# Altium PCB DD2088PoE_Daisy_Chain.PcbDoc (part 1 of 6) (continued)
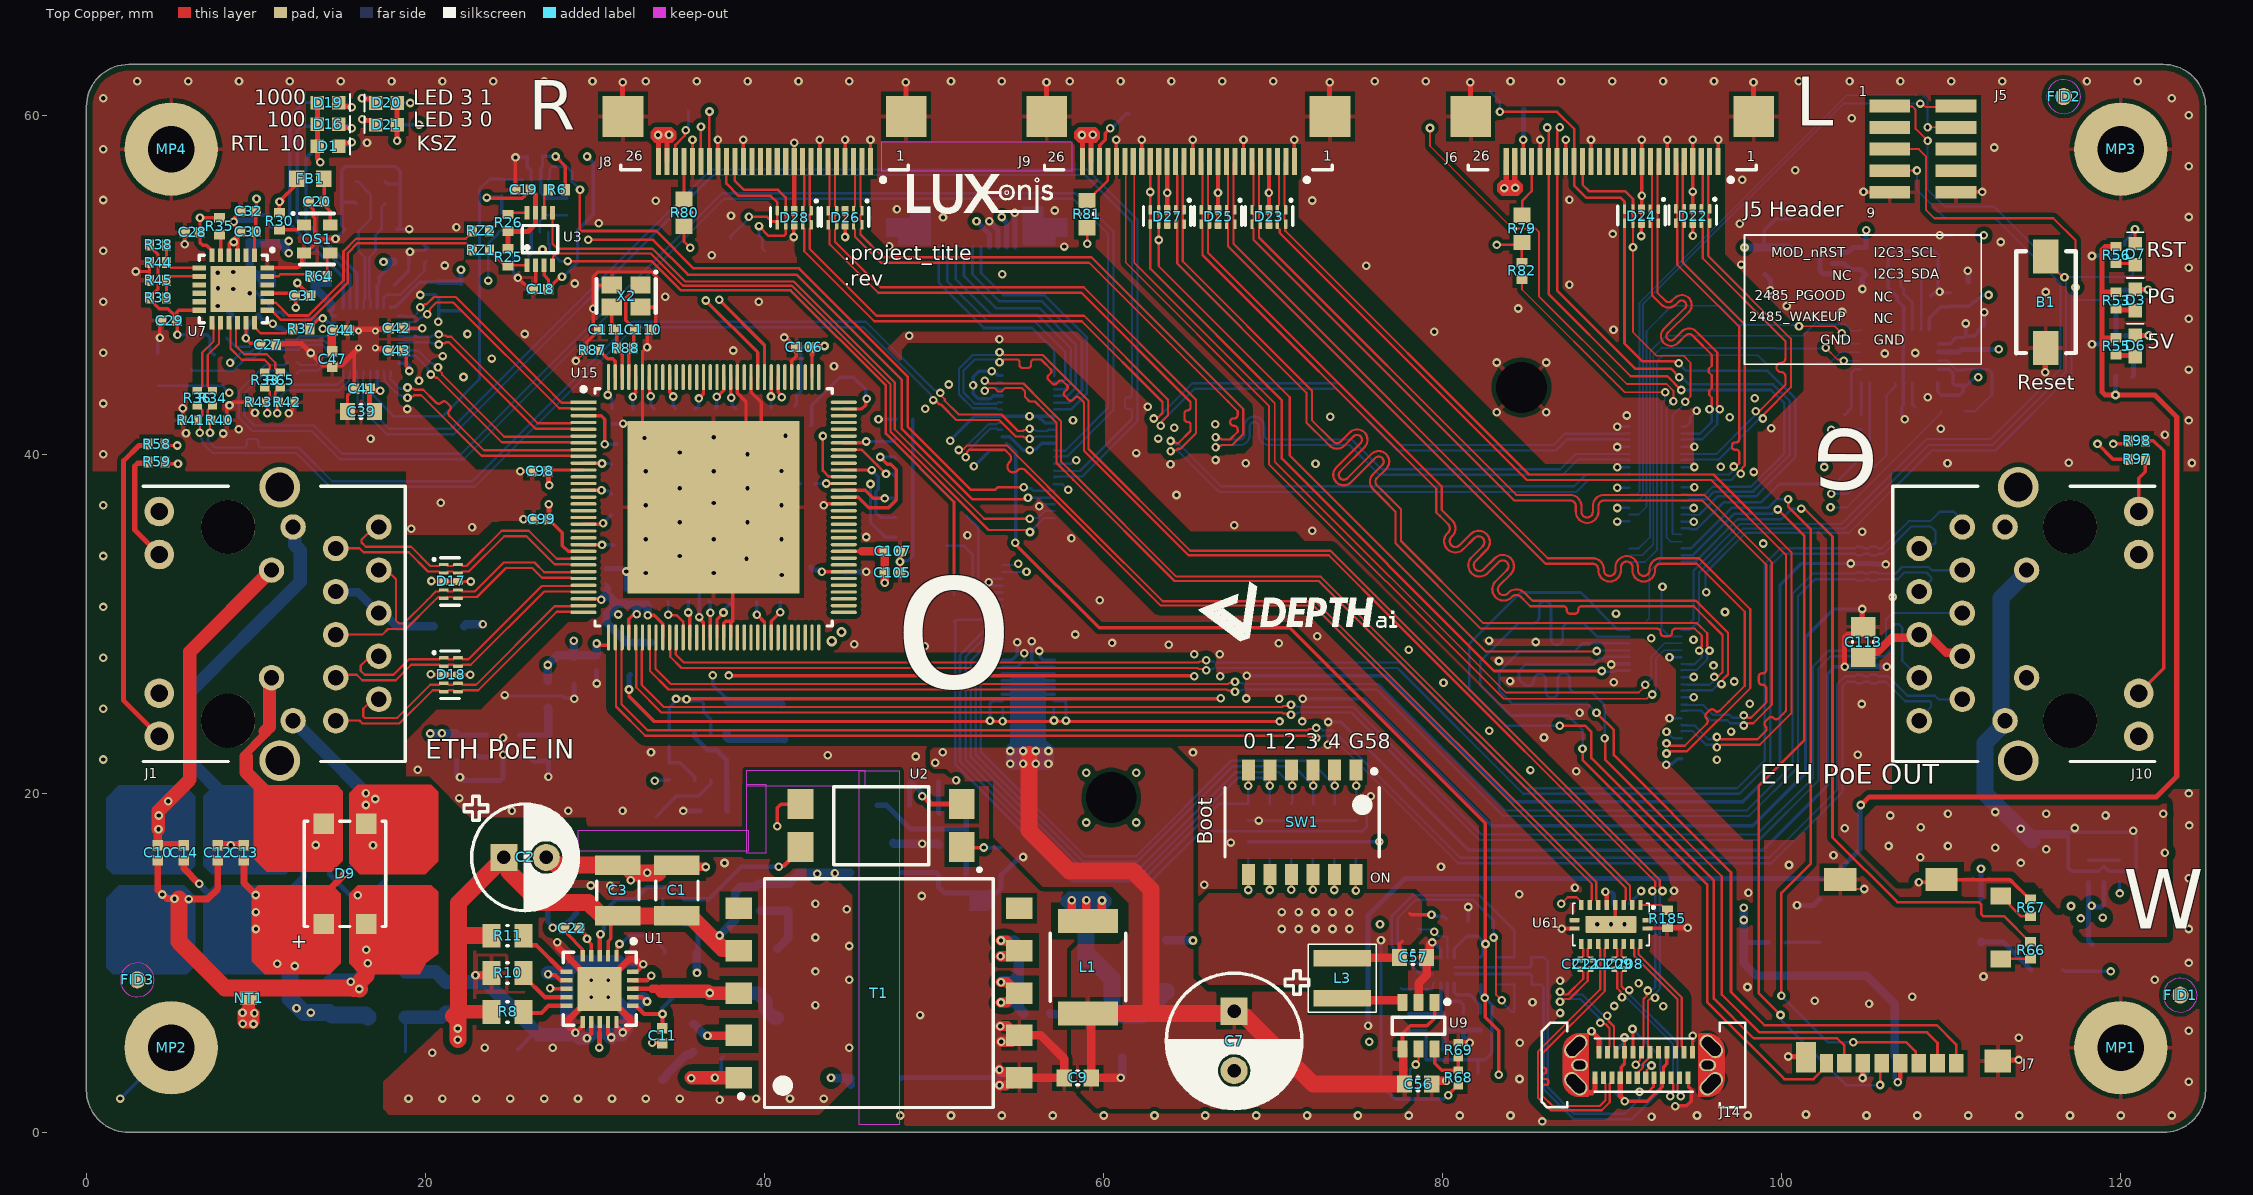
[diagram p0: Top Copper view]
## Components (designator, comment, footprint, x,y, rotation, side; value= is the part's Value field where it differs from the comment) (continued)
D23 "TPD4E02B04DQAR" TPD4E02B04DQAR 69.75,54 r180 top
D24 "TPD4E02B04DQAR" TPD4E02B04DQAR 91.725,54.05 r180 top
D25 "TPD4E02B04DQAR" TPD4E02B04DQAR 66.75,54 r180 top
D26 "TPD4E02B04DQAR" TPD4E02B04DQAR 44.75,53.957 r180 top
D27 "TPD4E02B04DQAR" TPD4E02B04DQAR 63.75,54 r180 top
D28 "TPD4E02B04DQAR" TPD4E02B04DQAR 41.75,53.952 r180 top
D29 "1N4148W" 1N4148W-7-F 43.7,44.55 r0 bottom
D30 "TPD4E02B04DQAR" TPD4E02B04DQAR 105,27.5 r90 bottom
D31 "TPD4E02B04DQAR" TPD4E02B04DQAR 105,33.55 r90 bottom
FB1 "80R/100MHz" BK1608HS800-T_N 13.206,56.248 r180 top
FB2 "700R/150Mhz" 742792040 17.7,6.8 r0 bottom
FB3 "700R/150Mhz" 742792040 17.696,9.475 r0 bottom
FB4 "80R/100MHz" BK1608HS800-T_N 27.211,25.75 r90 bottom
FB5 "80R/100MHz" BK1608HS800-T_N 34.367,28.861 r180 bottom
FID1 "FIDUCIAL_ROUND_1MM" FIDUCIAL_ROUND_1MM 123.5,8.1 r180 top
FID2 "FIDUCIAL_ROUND_1MM" FIDUCIAL_ROUND_1MM 116.625,61.1 r180 top
FID3 "FIDUCIAL_ROUND_1MM" FIDUCIAL_ROUND_1MM 3,9 r0 top
FID4 "FIDUCIAL_ROUND_1MM" FIDUCIAL_ROUND_1MM 116.625,61.1 r90 bottom
FID5 "FIDUCIAL_ROUND_1MM" FIDUCIAL_ROUND_1MM 123.5,8.1 r90 bottom
FID6 "FIDUCIAL_ROUND_1MM" FIDUCIAL_ROUND_1MM 1.825,7.925 r90 bottom
J1 "802.3af PoE" TRJG0926HENL 8.359,30 r270 top locked
J2 "BW2098_A Receptacle" DF40HC-3.0-100DS-0.4V_minpad 92.55,31.85 r0 bottom locked
J3 "BW2098_B Receptacle" DF40HC-3.0-100DS-0.4V_minpad 55.55,34.85 r0 bottom locked
J4 "SFV10R-2STE1HLF Top Contact" SFV10R-2STE1HLF 52.525,52.725 r0 bottom
J5 "20021121-00010T1LF" 20021121-00010T1LF 108.325,58 r270 top
J6 "FLEX CONNECTOR, 0.50MM PITCH, HE" F32R-1A7H1-11026 90,58.5 r180 top locked
J7 "uSD push/pull" 104031-0811 107.175,9.5 r0 top locked
J8 "FLEX CONNECTOR, 0.50MM PITCH, HE" F32R-1A7H1-11026 40,58.5 r180 top locked
J9 "FLEX CONNECTOR, 0.50MM PITCH, HE" F32R-1A7H1-11026 65,58.5 r180 top locked
J10 "802.3af PoE" TRJG0926HENL 117,30 r90 top locked
J14 "USB3.1 TYPEC 24P SMD Vertical" CX80B1-24P 91.85,3.975 r180 top locked
L1 "1uH 2.9A" DO1608C-102MLX 59.075,9.75 r270 top
L2 "2.2uH 0.61A 97mR" LQH32NH2R2J23L 12.312,50.341 r180 bottom
L3 "XAL4020-222MEC" XAL4020 74.075,9.1 r90 top
L4 "XAL4020-222MEC" XAL4020 41.17,24.372 r90 bottom
MH1 "M2, 3MM steel spacer on M2.5 mounting pad" 9774030243R 84.65,43.95 r45 bottom locked
MH2 "M2, 3MM steel spacer on M2.5 mounting pad" 9774030243R 60.45,19.75 r45 bottom
MP1 "MOUNTING_HOLE_M2.5" MOUNTING_HOLE_M2.5#1 120,5 r180 top
MP2 "MOUNTING_HOLE_M2.5" MOUNTING_HOLE_M2.5#1 5,5 r180 top
MP3 "MOUNTING_HOLE_M2.5" MOUNTING_HOLE_M2.5#2 120,57.9 r180 top
MP4 "MOUNTING_HOLE_M2.5" MOUNTING_HOLE_M2.5#2 5,57.9 r180 top
NT1 "NetTie" NET_TIE_TOP_1MM 9.566,7.925 r270 top net-tie
OS1 "25MHz OSC" ASDMB-25.000MHZ-LC-T 13.608,52.7 r270 top
Q1 "PREBIAS'd DDTC114YCA-7-F" DDTC114YCA-7-F 5.2,45 r90 bottom
Q2 "RE1C002UNTCL" RE1C002UNTCL 120.225,49.069 r180 bottom
Q3 "RE1C002UNTCL" RE1C002UNTCL 120.245,46.381 r180 bottom
Q4 "RE1C002UNTCL" RE1C002UNTCL 120.225,51.756 r180 bottom
Q5 "FDMA86265P" MICROFET-6 119,15.4 r270 bottom
R1 "10K 0402" RESC0402(1005)_N 111.2,53.425 r90 bottom
R2 "1K 0402" RESC0402(1005)_N 74.885,16.65 r90 bottom
R3 "10R 0603" RESC0603(1608)_N 35.8,5.575 r90 bottom
R4 "18K 0603" RESC0603(1608)_N 41.4,13.875 r90 bottom
R5 "6.8R 0805" RESC0805(2012)_N 59.55,6.925 r0 bottom
R6 "10K 0402" RESC0402(1005)_N 27.744,55.606 r0 top
R7 "1K 0402" RESC0402(1005)_N 72.345,16.65 r90 bottom
R8 "88.7K 0805" RESC0805(2012)_N 24.839,7.109 r0 top
R9 "1K 0402" RESC0402(1005)_N 73.615,16.65 r90 bottom
R10 "48.7R 0805" RESC0805(2012)_N 24.839,9.409 r0 top
R11 "24.3k 0805" RESC0805(2012)_N 24.839,11.609 r0 top
R12 "4.99k 0603" RESC0603(1608)_N 29.723,12.975 r180 bottom
R13 "0.62R 0805" RESC0805(2012)_N 35.063,10.59 r0 bottom
R14 "36.5k 0603" RESC0603(1608)_N 51.048,15.225 r180 bottom
R15 "12.1k 0603" RESC0603(1608)_N 51.073,16.975 r0 bottom
R16 "1K 0402" RESC0402(1005)_N 68.535,16.65 r90 bottom
R17 "0R 0603" RESC0603(1608)_N 51.098,18.825 r180 bottom
R18 "0R 0603" RESC0603(1608)_N 33.198,13.75 r180 bottom
R19 "10K 0402" RESC0402(1005)_N 73.625,18.9 r270 bottom
R20 "10K 0402" RESC0402(1005)_N 72.35,18.9 r270 bottom
R21 "10K 0402" RESC0402(1005)_N 71.075,18.9 r270 bottom
R22 "10K 0402" RESC0402(1005)_N 69.8,18.9 r270 bottom
R23 "10K 0402" RESC0402(1005)_N 68.525,18.9 r270 bottom
R24 "2.05k 0603" RESC0603(1608)_N 53.948,16 r270 bottom
R25 "10K 0402" RESC0402(1005)_N 24.875,51.633 r270 top
R26 "10K 0402" RESC0402(1005)_N 24.872,53.65 r90 top
R27 "0R 0603" RESC0603(1608)_N 51.175,30.95 r90 bottom
R28 "10K 0402" RESC0402(1005)_N 7.55,45.375 r270 bottom
R29 "10K 0402" RESC0402(1005)_N 7.788,46.871 r0 bottom
R30 "10K 0402" RESC0402(1005)_N 11.379,53.75 r90 top
R31 "10K 0402" RESC0402(1005)_N 82.225,6.525 r270 bottom
R32 "10K 0402" RESC0402(1005)_N 81.225,6.525 r270 bottom
R33 "22R 0402" RESC0402(1005)_L 10.525,44.375 r90 top
R34 "22R 0402" RESC0402(1005)_L 7.441,43.308 r90 top
R35 "10K 0402" RESC0402(1005)_N 7.85,53.45 r270 top
R36 "22R 0402" RESC0402(1005)_L 6.541,43.308 r90 top
R37 "10K 0402" RESC0402(1005)_N 12.674,47.406 r180 top
R38 "10K 0402" RESC0402(1005)_N 4.225,52.35 r0 top
R39 "10K 0402" RESC0402(1005)_N 4.225,49.225 r0 top
R40 "49.9R 0402" RESC0402(1005)_L 7.841,42.008 r0 top
R41 "49.9R 0402" RESC0402(1005)_L 6.141,42.008 r0 top
R42 "49.9R 0402" RESC0402(1005)_L 11.825,43.075 r180 top
R43 "49.9R 0402" RESC0402(1005)_L 10.125,43.075 r0 top
R44 "10K 0402" RESC0402(1005)_N 4.225,51.308 r180 top
R45 "10K 0402" RESC0402(1005)_N 4.225,50.267 r180 top
R46 "10K 0402" RESC0402(1005)_N 24.51,55.742 r90 bottom
R47 "1M 0402" RESC0402(1005)_N 16.55,52.05 r0 bottom
R48 "2.49K 0402" RESC0402(1005)_N 20.125,51.7 r270 bottom
R49 "10K 0402" RESC0402(1005)_N 24.5,53.725 r270 bottom
R50 "10K 0402" RESC0402(1005)_N 28.325,54.6 r90 bottom
R51 "18K 0603" RESC0603(1608)_N 118.3,10.3 r270 bottom
R52 "88.7K 0805" RESC0805(2012)_N 115.6,9.6 r0 bottom
R53 "1K 0402" RESC0402(1005)_N 119.725,49.069 r90 top
R54 "1K 0402" RESC0402(1005)_N 120.2,44.6 r180 bottom
R55 "1K 0402" RESC0402(1005)_N 119.725,46.381 r90 top
R56 "1K 0402" RESC0402(1005)_N 119.725,51.756 r90 top
R57 "470R 0402" RESC0402(1005)_N 99.7,11.2 r180 bottom
R58 "470R 0402" RESC0402(1005)_N 4.136,40.604 r180 top
R59 "470R 0402" RESC0402(1005)_N 4.136,39.554 r180 top
R60 "1K 0402" RESC0402(1005)_N 71.075,16.65 r90 bottom
R61 "1K 0402" RESC0402(1005)_N 69.805,16.65 r90 bottom
R62 "10K 0402" RESC0402(1005)_N 110.075,53.425 r270 bottom
R63 "10K 0402" RESC0402(1005)_N 74.9,18.9 r270 bottom
R64 "22R 0402" RESC0402(1005)_N 13.695,50.501 r0 top
R65 "22R 0402" RESC0402(1005)_L 11.425,44.375 r90 top
R66 "0R 0402" RESC0402(1005)_N 114.676,10.75 r90 top
R67 "0R 0402" RESC0402(1005)_N 114.676,13.25 r270 top
R68 "249k 0402" RESC0402(1005)_L 80.914,3.213 r270 top
R69 "56k 0402" RESC0402(1005)_L 80.914,4.851 r270 top
R70 "470R 0402" RESC0402(1005)_N 14.25,58.175 r0 bottom
R71 "470R 0402" RESC0402(1005)_N 14.25,59.463 r0 bottom
R72 "470R 0402" RESC0402(1005)_N 14.25,60.75 r0 bottom
R73 "470R 0402" RESC0402(1005)_N 17.7,60.725 r180 bottom
R74 "470R 0402" RESC0402(1005)_N 17.7,59.438 r180 bottom
R75 "121K 0402" RESC0402(1005)_N 34.375,21.3 r90 bottom
R76 "121K 0402" RESC0402(1005)_N 34.375,23.291 r90 bottom
R79 "0R 0603" RESC0603(1608)_N 84.675,53.3 r90 top
R80 "0R 0603" RESC0603(1608)_N 35.25,54.25 r90 top
R81 "0R 0603" RESC0603(1608)_N 59.007,54.169 r90 top
R82 "10K 0402" RESC0402(1005)_N 84.675,50.82 r90 top
R83 "10K 0402" RESC0402(1005)_L 110.85,44.525 r270 bottom
R84 "0R 0603" RESC0603(1608)_L 110.103,42.545 r180 bottom
R85 "2.2K 0402" RESC0402(1005)_L 104.675,41.9 r90 bottom
R86 "2.2K 0402" RESC0402(1005)_L 103.7,41.9 r90 bottom
R87 "6.04k 0402" RESC0402(1005)_L 29.84,46.127 r180 top
R88 "1M 0402" RESC0402(1005)_N 31.775,46.26 r180 top
R89 "10K 0402" RESC0402(1005)_N 42.275,42.85 r0 bottom
R90 "1K 0402" RESC0402(1005)_N 48.25,42.067 r180 bottom
R91 "1K 0402" RESC0402(1005)_N 48.25,40.908 r180 bottom
R92 "1K 0402" RESC0402(1005)_N 48.25,39.75 r180 bottom
R93 "1K 0402" RESC0402(1005)_N 48.25,38.592 r180 bottom
R94 "1K 0402" RESC0402(1005)_N 48.25,37.433 r180 bottom
R95 "1K 0402" RESC0402(1005)_N 48.25,36.275 r180 bottom
R96 "1K 0402" RESC0402(1005)_N 48.25,35.117 r180 bottom
R97 "470R 0402" RESC0402(1005)_N 120.95,39.7 r0 top
R98 "470R 0402" RESC0402(1005)_N 120.95,40.8 r0 top
R183 "10K 0402" RESC0402(1005)_N 79.525,4.925 r180 bottom
R185 "10K 0402" RESC0402(1005)_N 93.25,12.6 r270 top
R186 "10K 0402" RESC0402(1005)_N 80.2,12.1 r90 bottom
R187 "1.8MR 0402" RESC0402(1005)_N 79,6.5 r90 bottom
R190 "1.8MR 0402" RESC0402(1005)_N 78,6.5 r90 bottom
R213 "10K 0402" RESC0402(1005)_N 82.725,10.325 r180 bottom
R214 "10K 0402" RESC0402(1005)_N 82.75,8.725 r180 bottom
RZ1 "0R 0402" RESC0402(1005)_N 23.275,52.05 r180 top
RZ2 "0R 0402" RESC0402(1005)_N 23.275,53.175 r180 top
RZ28 "10K 0402" RESC0402(1005)_N 84.725,10.325 r0 bottom
RZ29 "10K 0402" RESC0402(1005)_N 84.75,8.725 r0 bottom
SW1 "A6H-6102 DIP SW" A6H-610x 71.71,18.3 r270 top
T1 "749119950" 749119950 46.748,8.225 r90 top locked
TP1 "TP100_200_NS" TP100_200_NS 50.75,34.6 r270 bottom
TP2 "TP100_200_NS" TP100_200_NS 51.925,36.375 r270 bottom
TP3 "TP100_200_NS" TP100_200_NS 100.475,53.9 r180 bottom
TP5 "TP100_200_NS" TP100_200_NS 18.825,4.75 r0 bottom
TP6 "TP100_200_NS" TP100_200_NS 61.1,4.4 r270 bottom
TP7 "TP100_200_NS" TP100_200_NS 78.075,2.85 r270 bottom
TP8 "TP100_200_NS" TP100_200_NS 34.725,8.092 r270 bottom
TP9 "TP100_200_NS" TP100_200_NS 51.174,3.25 r270 bottom
TP10 "TP100_200_NS" TP100_200_NS 32.221,11.598 r0 bottom
TP11 "TP100_200_NS" TP100_200_NS 27.078,13.315 r180 bottom
TP12 "TP100_200_NS" TP100_200_NS 37.562,4.478 r270 bottom
TP13 "TP100_200_NS" TP100_200_NS 25.45,4.9 r0 bottom
TP14 "TP100_200_NS" TP100_200_NS 33.6,18.625 r180 bottom
TP19 "TP100_200_NS" TP100_200_NS 106.175,41.45 r180 bottom
TP23 "TP100_200_NS" TP100_200_NS 84.782,60.35 r90 bottom
TP24 "TP100_200_NS" TP100_200_NS 35.5,60.25 r270 bottom
TP25 "TP100_200_NS" TP100_200_NS 104.715,39.84 r180 bottom
TP26 "TP100_200_NS" TP100_200_NS 112.4,43.525 r270 bottom
TP27 "TP100_200_NS" TP100_200_NS 97.328,47.738 r90 bottom
TP28 "TP100_200_NS" TP100_200_NS 102.201,47.807 r180 bottom
TP29 "TP100_200_NS" TP100_200_NS 99.6,46.214 r90 bottom
TP30 "TP100_200_NS" TP100_200_NS 102.085,45.32 r90 bottom
TP31 "TP100_200_NS" TP100_200_NS 61.473,60.078 r0 bottom
TP32 "TP100_200_NS" TP100_200_NS 62.75,56.475 r0 bottom
TP33 "TP100_200_NS" TP100_200_NS 38,52.75 r270 bottom
TP34 "TP100_200_NS" TP100_200_NS 82.821,61.419 r270 bottom
TP35 "TP100_200_NS" TP100_200_NS 91.225,51.213 r270 bottom
TP36 "TP100_200_NS" TP100_200_NS 40,52 r270 bottom
TP37 "TP100_200_NS" TP100_200_NS 63.25,51.643 r0 bottom
TP40 "TP100_200_NS" TP100_200_NS 82.085,3.5 r180 bottom
TP41 "TP100_200_NS" TP100_200_NS 78.525,12.025 r0 bottom
TP42 "TP100_200_NS" TP100_200_NS 77.525,8.525 r0 bottom
TP43 "TP100_200_NS" TP100_200_NS 84.225,7.125 r0 bottom
TP44 "TP100_200_NS" TP100_200_NS 84.225,11.925 r0 bottom
U1 "SI3404-A-GM" SI3404-A-GM 30.273,8.475 r270 top
U2 "VO618A-3X017T" VO618A-3X017T 46.875,18.1 r180 top
U3 "TXS0102DCU" TXS0102DCUR 26.75,52.7 r90 top
U4 "RTL8111HS-CG" RTL8111HX-CG 16.55,46.775 r180 bottom
U5 "TLV431" TLV431BCDBZR 47.598,18.2 r270 bottom
U6 "TXS0102DCU" TXS0102DCUR 26.5,54.65 r270 bottom
U7 "SI52142-A01AGM" SI52142-A01AGM 8.667,49.75 r270 top
U8 "TLV70018DCK" TLV70018DCK 101.875,51.25 r270 bottom
U9 "TLV62569" SOT236 78.575,6.3 r270 top
U10 "VO618A-3X017T" VO618A-3X017T 107,12.5 r0 bottom
U12 "BNO085" BNO085 106.95,45.775 r90 bottom
U13 "TLV75525PDRVR" WSON-6 24.578,22.787 r180 bottom
U14 "TLV62569" SOT236 36.828,22.143 r270 bottom
U15 "KSZ9896CTXI" FP-C04-418-IPC_A 36.998,36.877 r0 top locked
U61 "USB Type-C Switch" HD3SS3212RKSR 89.925,12.275 r270 top
U62 "USB Type-C Port Control" TUSB321RWBR 80.075,9.55 r90 bottom
X1 "25MHz 18pF 2.50x2.00mm" ECS-250-18-36B-CKY-TR 16.767,55.435 r0 bottom
X2 "25MHz 18pF 2.50x2.00mm" ECS-250-18-36B-CKY-TR 31.837,49.33 r180 top
Y1 "ABS06-127-32.768KHZ-T" ABS06-127-32.768KHZ-T 107.761,50.857 r180 bottom

## Footprints (in the part's own frame and the unit in brackets; to place one, negate y for a bottom-side part, rotate by r counter-clockwise, add the part's x,y. Pads: shape width x height; smd on the part's side, far side on the other; paste and mask are expansions set on the pad)
1N4148W-7-F [mm] "SOD123, 2-Leads, Body 2.7x1.55mm, Height 1.45mm"
  rect 0.9x0.95 smd: 1(-1.575,0) 2(1.575,0)
  silkscreen extent -2.4,-0.87 0,0.87, body extent -1.35,-0.77 1.35,0.77, height 1.45
104031-0811 [mm] "10 (8 + 2) Position Card Connector Secure Digital - microSD™ Surface Mount, Right Angle Gold"
  rect 0.85x1.1 smd: 1(3.113,-5.412) 3(0.913,-5.412) 4(-0.188,-5.412) 5(-1.288,-5.412) 6(-2.387,-5.412) 7(-3.487,-5.412)
  rect 0.875x1.1 smd: 2(2.013,-5.412)
  rect 0.75x1.1 smd: 8(-4.537,-5.412)
  rect 1.2x1 smd: 9(5.748,0.738) 10(5.748,4.438)
  rect 1.9x1.35 smd: 11(2.248,5.413) 12(-3.722,5.413)
  rect 1.17x1.8 smd: 13(-5.747,-5.062)
  rect 1.55x1.35 smd: 14(5.573,-5.287)
  body extent -5.95,-5.65 6,5.75, height 1.44
20021121-00010T1LF [mm] "Connector Header Surface Mount 10 position 0.050\" (1.27mm)   Contact length: 0.120\" (3.05mm)"
  rect 0.76x2.4 smd: 1(-2.54,-1.95) 2(-2.54,1.95) 3(-1.27,-1.95) 4(-1.27,1.95) 5(0,-1.95) 6(0,1.95) 7(1.27,-1.95) 8(1.27,1.95) 9(2.54,-1.95) 10(2.54,1.95)
  body extent -3.18,-2.75 3.17,2.75, height 4.55
742792040 [mm] "Chip Inductor, 2-Leads, Body 2.0x1.2mm"
  rect 1x1 smd: 1(-1.1,0) 2(1.1,0)
  silkscreen extent -0.2,-0.6 0.2,0.6, body extent -1,-0.6 1,0.6, height 0.89
749119950 [mm] "SMD, 10-Leads, Body 13.5x14.0mm (max), Pitch 2.48mm, IPC Medium Density"
  rect 1.27x1.55 smd: 1(-5,8.275) 2(-2.5,8.275) 3(0,8.275) 4(2.5,8.275) 5(5,8.275) 6(5,-8.275) 7(2.5,-8.275) 8(0,-8.275) 9(-2.5,-8.275) 10(-5,-8.275)
  silkscreen extent -6.75,-6.75 6.75,8.25, body extent -6.75,-8.88 6.75,8.87, height 12.6
9774030243R [mm] "STANDOFF_M2X0.4_3MM with no pad on bottom of PCB"
  round 5.3 / inner round 2.7 / far side round 2.7 hole 3 mask+0.05: 1(0,0)
  body extent -2.17,-2.17 2.18,2.17, height 3.05
A6H-610x [mm] "DIP Sw, Std/SealTape Body 8.85x4.50mm, Pitch 1.27mm, IPC High Density"
  rect 1.25x0.76 smd: 1(-3.075,3.175) 2(-3.075,1.905) 3(-3.075,0.635) 4(-3.075,-0.635) 5(-3.075,-1.905) 6(-3.075,-3.175) 7(3.075,-3.175) 8(3.075,-1.905) 9(3.075,-0.635) 10(3.075,0.635) 11(3.075,1.905) 12(3.075,3.175)
  silkscreen extent -3.12,-4.55 2.02,4.55, body extent -3.35,-4.43 3.35,4.42, height 1.57
ABS06-127-32.768KHZ-T [mm] "2-SMD 0.079\" L x 0.047\" W (2.00mm x 1.20mm)"
  rect 0.75x1.4 smd: 1(-0.73,0) 2(0.73,0)
  body extent -1,-0.6 1,0.6, height 0.65
ASDMB-25.000MHZ-LC-T [mm] "0.098\" L x 0.079\" W (2.50mm x 2.00mm)"
  rect 0.65x0.85 smd: 1(-0.825,-0.775) 2(0.825,-0.775) 3(0.825,0.775) 4(-0.825,0.775)
  silkscreen extent -1.53,-1.44 1.5,1, body extent -1.25,-1 1.25,1, height 0.86
BK1608HS800-T_N [mm] "Chip Inductor, 2-Leads, Body 1.60x0.80mm, IPC Medium Density"
  rect 0.92x0.98 smd: 1(-0.79,0) 2(0.79,0)
  body extent -0.88,-0.48 0.87,0.47, height 0.95
BNO085 [mm] "28-TFLGA Module (5.2x3.8)"
  rect 0.675x0.25 smd paste+0 mask+0: 1(1.562,2.25) 6(-1.562,2.25) 7(-1.562,1.75) 8(-1.562,1.25) 9(-1.562,0.75) 10(-1.562,0.25) 11(-1.562,-0.25) 12(-1.562,-0.75) 13(-1.562,-1.25) 14(-1.562,-1.75) 15(-1.562,-2.25) 20(1.562,-2.25) 21(1.562,-1.75) 22(1.562,-1.25) 23(1.562,-0.75) 24(1.562,-0.25) 25(1.562,0.25) 26(1.562,0.75) 27(1.562,1.25) 28(1.562,1.75)
  rect 0.25x0.575 smd paste+0 mask+0: 2(0.75,2.312) 3(0.25,2.312) 4(-0.25,2.312) 5(-0.75,2.312) 16(-0.75,-2.312) 17(-0.25,-2.312) 18(0.25,-2.312) 19(0.75,-2.312)
  silkscreen extent -2.3,-3.08 3.05,3.08, body extent -1.9,-2.6 1.9,2.6, height 1.18
CAPC0201(0603)33_L [mm] "Chip Capacitor, Body 0.6x0.3mm, Height 0.33mm, IPC High Density"
  rect 0.36x0.32 smd: 1(-0.28,0) 2(0.28,0)
  body extent -0.32,-0.17 0.32,0.17, height 0.33
CAPC0402(1005)60_N [mm] "Chip Capacitor, Body 1.0x0.5mm, Height 0.6mm, IPC Medium Density"
  rect 0.62x0.62 smd: 1(-0.45,0) 2(0.45,0)
  body extent -0.55,-0.3 0.55,0.3, height 0.6
CAPC0402(1005)70_L [mm] "Chip Capacitor, Body 1.0x0.5mm, Height 0.7mm, IPC High Density"
  rect 0.52x0.52 smd: 1(-0.4,0) 2(0.4,0)
  body extent -0.55,-0.3 0.55,0.3, height 0.7
CAPC0402(1005)70_N [mm] "Chip Capacitor, Body 1.0x0.5mm, Height 0.7mm, IPC Medium Density"
  rect 0.62x0.62 smd: 1(-0.45,0) 2(0.45,0)
  body extent -0.55,-0.3 0.55,0.3, height 0.7
CAPC0603(1608)100_L [mm] "Chip Capacitor, Body 1.6x0.8mm, Height 1.0mm, IPC High Density"
  rect 0.7x0.9 smd: 1(-0.7,0) 2(0.7,0)
  silkscreen extent -0.05,-0.35 0.05,0.35, body extent -0.87,-0.47 0.88,0.48, height 1
CAPC0603(1608)100_N [mm] "Chip Capacitor, Body 1.6x0.8mm, Height 1.0mm, IPC Medium Density"
  rect 0.9x1 smd: 1(-0.8,0) 2(0.8,0)
  silkscreen extent -0.05,-0.4 0.05,0.4, body extent -0.87,-0.48 0.88,0.47, height 1
CAPC0805(2012)145_N [mm] "Chip Capacitor, Body 2.0x1.2mm, Height 1.45mm, IPC Medium Density"
  rect 1.15x1.45 smd: 1(-0.9,0) 2(0.9,0)
  silkscreen extent -0.05,-0.62 0.05,0.63, body extent -1.1,-0.72 1.1,0.73, height 1.45
CAPC1206(3216)190_N [mm] "Chip Capacitor, Body 3.2x1.6mm, Height 1.9mm, IPC Medium Density"
  rect 1.15x1.8 smd: 1(-1.5,0) 2(1.5,0)
  silkscreen extent -0.55,-0.8 0.55,0.8, body extent -1.7,-0.9 1.7,0.9, height 1.9
CAPC1210(3225)280_N [mm] "Chip Capacitor, Body 3.2x2.5mm, Height 2.8mm, IPC Medium Density"
  rect 1.15x2.7 smd: 1(-1.5,0) 2(1.5,0)
  silkscreen extent -0.55,-1.25 0.55,1.25, body extent -1.7,-1.4 1.7,1.4, height 2.8
CX80B1-24P [mm] "USB3.1 Type-C Molex SMT, Through Hole, Vertical"
  rect 0.3x0.75 smd: A1(-2.625,0.755) A2(-2.125,0.755) A3(-1.625,0.755) A4(-1.125,0.755) A5(-0.625,0.755) A6(-0.125,0.755) A7(0.375,0.755) A8(0.875,0.755) A9(1.375,0.755) A10(1.875,0.755) A11(2.375,0.755) A12(2.875,0.755) B1(2.625,-0.755) B2(2.125,-0.755) B3(1.625,-0.755) B4(1.125,-0.755) B5(0.625,-0.755) B6(0.125,-0.755) B7(-0.375,-0.755) B8(-0.875,-0.755) B9(-1.375,-0.755) B10(-1.875,-0.755) B11(-2.375,-0.755) B12(-2.875,-0.755)
  oval 1.6x0.9 hole 0.7 slot 1.3 at 45 deg rot 45: SH1(-3.995,1.1) SH4(3.995,-1.1)
  oval 1.6x0.9 hole 0.7 slot 1.3 at 135 deg rot 135: SH2(3.995,1.1) SH3(-3.995,-1.1)
  oval 1x0.7 hole 0.5 slot 0.7 at 0 deg: SH5(-3.775,0) SH6(3.775,0)
  Top Copper region: 3.827,1.873 3.88,1.869 3.931,1.862 3.983,1.853 4.034,1.84 4.084,1.826 4.133,1.808 4.182,1.788 4.229,1.766 4.275,1.741 4.32,1.713 4.363,1.684 4.404,1.652 4.444,1.618 4.482,1.582 4.518,1.544 4.552,1.504 4.584,1.462 4.614,1.419 4.641,1.375 4.666,1.329 4.689,1.281 4.709,1.233 4.726,1.184 4.741,1.133 4.753,1.082 4.763,1.031 4.77,0.979 4.774,0.927 4.775,0.875 4.775,-0.875 4.774,-0.928 4.77,-0.98 4.763,-1.032 4.753,-1.083 4.741,-1.134 4.726,-1.185 4.709,-1.234 4.689,-1.282 4.666,-1.329 4.641,-1.375 4.614,-1.42 4.584,-1.463 4.552,-1.505 4.518,-1.545 4.482,-1.583 4.444,-1.619 4.404,-1.653 4.363,-1.685 4.32,-1.714 4.275,-1.742 4.229,-1.766 4.182,-1.789 4.133,-1.809 4.084,-1.827 4.034,-1.841 3.983,-1.854 3.931,-1.863 3.88,-1.87 3.827,-1.874 3.775,-1.875 3.325,-1.875 3.32,-1.875 3.315,-1.875 3.309,-1.874 3.304,-1.873 3.299,-1.872 3.294,-1.871 3.289,-1.869 3.284,-1.867 3.28,-1.865 3.275,-1.862 3.271,-1.859 3.266,-1.856 3.262,-1.853 3.258,-1.85 3.254,-1.846 3.251,-1.842 3.247,-1.838 3.244,-1.834 3.241,-1.83 3.238,-1.825 3.236,-1.821 3.234,-1.816 3.232,-1.811 3.23,-1.806 3.228,-1.801 3.227,-1.796 3.226,-1.791 3.226,-1.786 3.225,-1.781 3.225,-1.775 3.225,1.775 3.225,1.78 3.226,1.785 3.226,1.79 3.227,1.795 3.228,1.8 3.23,1.805 3.232,1.81 3.234,1.815 3.236,1.82 3.238,1.825 3.241,1.829 3.244,1.833 3.247,1.837 3.251,1.841 3.254,1.845 3.258,1.849 3.262,1.852 3.266,1.855 3.271,1.858 3.275,1.861 3.28,1.864 3.284,1.866 3.289,1.868 3.294,1.87 3.299,1.871 3.304,1.872 3.309,1.873 3.315,1.874 3.32,1.874 3.325,1.875 3.775,1.875
  Top Copper region: -3.32,1.874 -3.315,1.874 -3.309,1.873 -3.304,1.872 -3.299,1.871 -3.294,1.87 -3.289,1.868 -3.284,1.866 -3.28,1.864 -3.275,1.861 -3.271,1.858 -3.266,1.855 -3.262,1.852 -3.258,1.849 -3.254,1.845 -3.251,1.841 -3.247,1.837 -3.244,1.833 -3.241,1.829 -3.238,1.825 -3.236,1.82 -3.234,1.815 -3.232,1.81 -3.23,1.805 -3.228,1.8 -3.227,1.795 -3.226,1.79 -3.226,1.785 -3.225,1.78 -3.225,1.775 -3.225,-1.775 -3.225,-1.781 -3.226,-1.786 -3.226,-1.791 -3.227,-1.796 -3.228,-1.801 -3.23,-1.806 -3.232,-1.811 -3.234,-1.816 -3.236,-1.821 -3.238,-1.825 -3.241,-1.83 -3.244,-1.834 -3.247,-1.838 -3.251,-1.842 -3.254,-1.846 -3.258,-1.85 -3.262,-1.853 -3.266,-1.856 -3.271,-1.859 -3.275,-1.862 -3.28,-1.865 -3.284,-1.867 -3.289,-1.869 -3.294,-1.871 -3.299,-1.872 -3.304,-1.873 -3.309,-1.874 -3.315,-1.875 -3.32,-1.875 -3.325,-1.875 -3.775,-1.875 -3.827,-1.874 -3.88,-1.87 -3.931,-1.863 -3.983,-1.854 -4.034,-1.841 -4.084,-1.827 -4.133,-1.809 -4.182,-1.789 -4.229,-1.766 -4.275,-1.742 -4.32,-1.714 -4.363,-1.685 -4.404,-1.653 -4.444,-1.619 -4.482,-1.583 -4.518,-1.545 -4.552,-1.505 -4.584,-1.463 -4.614,-1.42 -4.641,-1.375 -4.666,-1.329 -4.689,-1.282 -4.709,-1.234 -4.726,-1.185 -4.741,-1.134 -4.753,-1.083 -4.763,-1.032 -4.77,-0.98 -4.774,-0.928 -4.775,-0.875 -4.775,0.875 -4.774,0.927 -4.77,0.979 -4.763,1.031 -4.753,1.082 -4.741,1.133 -4.726,1.184 -4.709,1.233 -4.689,1.281 -4.666,1.329 -4.641,1.375 -4.614,1.419 -4.584,1.462 -4.552,1.504 -4.518,1.544 -4.482,1.582 -4.444,1.618 -4.404,1.652 -4.363,1.684 -4.32,1.713 -4.275,1.741 -4.229,1.766 -4.182,1.788 -4.133,1.808 -4.084,1.826 -4.034,1.84 -3.983,1.853 -3.931,1.862 -3.88,1.869 -3.827,1.873 -3.775,1.875 -3.325,1.875
  Bottom Copper region: 3.827,1.873 3.88,1.869 3.931,1.862 3.983,1.853 4.034,1.84 4.084,1.826 4.133,1.808 4.182,1.788 4.229,1.766 4.275,1.741 4.32,1.713 4.363,1.684 4.404,1.652 4.444,1.618 4.482,1.582 4.518,1.544 4.552,1.504 4.584,1.462 4.614,1.419 4.641,1.375 4.666,1.329 4.689,1.281 4.709,1.233 4.726,1.184 4.741,1.133 4.753,1.082 4.763,1.031 4.77,0.979 4.774,0.927 4.775,0.875 4.775,-0.875 4.774,-0.928 4.77,-0.98 4.763,-1.032 4.753,-1.083 4.741,-1.134 4.726,-1.185 4.709,-1.234 4.689,-1.282 4.666,-1.329 4.641,-1.375 4.614,-1.42 4.584,-1.463 4.552,-1.505 4.518,-1.545 4.482,-1.583 4.444,-1.619 4.404,-1.653 4.363,-1.685 4.32,-1.714 4.275,-1.742 4.229,-1.766 4.182,-1.789 4.133,-1.809 4.084,-1.827 4.034,-1.841 3.983,-1.854 3.931,-1.863 3.88,-1.87 3.827,-1.874 3.775,-1.875 3.325,-1.875 3.32,-1.875 3.315,-1.875 3.309,-1.874 3.304,-1.873 3.299,-1.872 3.294,-1.871 3.289,-1.869 3.284,-1.867 3.28,-1.865 3.275,-1.862 3.271,-1.859 3.266,-1.856 3.262,-1.853 3.258,-1.85 3.254,-1.846 3.251,-1.842 3.247,-1.838 3.244,-1.834 3.241,-1.83 3.238,-1.825 3.236,-1.821 3.234,-1.816 3.232,-1.811 3.23,-1.806 3.228,-1.801 3.227,-1.796 3.226,-1.791 3.226,-1.786 3.225,-1.781 3.225,-1.775 3.225,1.775 3.225,1.78 3.226,1.785 3.226,1.79 3.227,1.795 3.228,1.8 3.23,1.805 3.232,1.81 3.234,1.815 3.236,1.82 3.238,1.825 3.241,1.829 3.244,1.833 3.247,1.837 3.251,1.841 3.254,1.845 3.258,1.849 3.262,1.852 3.266,1.855 3.271,1.858 3.275,1.861 3.28,1.864 3.284,1.866 3.289,1.868 3.294,1.87 3.299,1.871 3.304,1.872 3.309,1.873 3.315,1.874 3.32,1.874 3.325,1.875 3.775,1.875
  Bottom Copper region: -3.32,1.874 -3.315,1.874 -3.309,1.873 -3.304,1.872 -3.299,1.871 -3.294,1.87 -3.289,1.868 -3.284,1.866 -3.28,1.864 -3.275,1.861 -3.271,1.858 -3.266,1.855 -3.262,1.852 -3.258,1.849 -3.254,1.845 -3.251,1.841 -3.247,1.837 -3.244,1.833 -3.241,1.829 -3.238,1.825 -3.236,1.82 -3.234,1.815 -3.232,1.81 -3.23,1.805 -3.228,1.8 -3.227,1.795 -3.226,1.79 -3.226,1.785 -3.225,1.78 -3.225,1.775 -3.225,-1.775 -3.225,-1.781 -3.226,-1.786 -3.226,-1.791 -3.227,-1.796 -3.228,-1.801 -3.23,-1.806 -3.232,-1.811 -3.234,-1.816 -3.236,-1.821 -3.238,-1.825 -3.241,-1.83 -3.244,-1.834 -3.247,-1.838 -3.251,-1.842 -3.254,-1.846 -3.258,-1.85 -3.262,-1.853 -3.266,-1.856 -3.271,-1.859 -3.275,-1.862 -3.28,-1.865 -3.284,-1.867 -3.289,-1.869 -3.294,-1.871 -3.299,-1.872 -3.304,-1.873 -3.309,-1.874 -3.315,-1.875 -3.32,-1.875 -3.325,-1.875 -3.775,-1.875 -3.827,-1.874 -3.88,-1.87 -3.931,-1.863 -3.983,-1.854 -4.034,-1.841 -4.084,-1.827 -4.133,-1.809 -4.182,-1.789 -4.229,-1.766 -4.275,-1.742 -4.32,-1.714 -4.363,-1.685 -4.404,-1.653 -4.444,-1.619 -4.482,-1.583 -4.518,-1.545 -4.552,-1.505 -4.584,-1.463 -4.614,-1.42 -4.641,-1.375 -4.666,-1.329 -4.689,-1.282 -4.709,-1.234 -4.726,-1.185 -4.741,-1.134 -4.753,-1.083 -4.763,-1.032 -4.77,-0.98 -4.774,-0.928 -4.775,-0.875 -4.775,0.875 -4.774,0.927 -4.77,0.979 -4.763,1.031 -4.753,1.082 -4.741,1.133 -4.726,1.184 -4.709,1.233 -4.689,1.281 -4.666,1.329 -4.641,1.375 -4.614,1.419 -4.584,1.462 -4.552,1.504 -4.518,1.544 -4.482,1.582 -4.444,1.618 -4.404,1.652 -4.363,1.684 -4.32,1.713 -4.275,1.741 -4.229,1.766 -4.182,1.788 -4.133,1.808 -4.084,1.826 -4.034,1.84 -3.983,1.853 -3.931,1.862 -3.88,1.869 -3.827,1.873 -3.775,1.875 -3.325,1.875
  silkscreen extent -6,-2.5 6,2.5, body extent -5.5,-3.36 5.5,3.64, height 7.17
DDTC114YCA-7-F [mm] "TO-236-3, SC-59, SOT-23-3"
  rect 0.8x0.9 smd: 1(-0.95,-1) 2(0.95,-1) 3(0,1)
  silkscreen extent -1.46,0 1.46,0.69, body extent -1.5,-1.1 1.5,1.1, height 1.1
DF40HC-3.0-100DS-0.4V_minpad [mm] "3.0MM MATED HEIGHT CONN HDR 100POS 0.4MM SMD GOLD"
  rect 0.7x0.18 smd: 1(1.54,9.8) 2(-1.54,9.8) 3(1.54,9.4) 4(-1.54,9.4) 5(1.54,9) 6(-1.54,9) 7(1.54,8.6) 8(-1.54,8.6) 9(1.54,8.2) 10(-1.54,8.2) 11(1.54,7.8) 12(-1.54,7.8) 13(1.54,7.4) 14(-1.54,7.4) 15(1.54,7) 16(-1.54,7) 17(1.54,6.6) 18(-1.54,6.6) 19(1.54,6.2) 20(-1.54,6.2) 21(1.54,5.8) 22(-1.54,5.8) 23(1.54,5.4) 24(-1.54,5.4) 25(1.54,5) 26(-1.54,5) 27(1.54,4.6) 28(-1.54,4.6) 29(1.54,4.2) 30(-1.54,4.2) 31(1.54,3.8) 32(-1.54,3.8) 33(1.54,3.4) 34(-1.54,3.4) 35(1.54,3) 36(-1.54,3) 37(1.54,2.6) 38(-1.54,2.6) 39(1.54,2.2) 40(-1.54,2.2) 41(1.54,1.8) 42(-1.54,1.8) 43(1.54,1.4) 44(-1.54,1.4) 45(1.54,1) 46(-1.54,1) 47(1.54,0.6) 48(-1.54,0.6) 49(1.54,0.2) 50(-1.54,0.2) 51(1.54,-0.2) 52(-1.54,-0.2) 53(1.54,-0.6) 54(-1.54,-0.6) 55(1.54,-1) 56(-1.54,-1) 57(1.54,-1.4) 58(-1.54,-1.4) 59(1.54,-1.8) 60(-1.54,-1.8) 61(1.54,-2.2) 62(-1.54,-2.2) 63(1.54,-2.6) 64(-1.54,-2.6) 65(1.54,-3) 66(-1.54,-3) 67(1.54,-3.4) 68(-1.54,-3.4) 69(1.54,-3.8) 70(-1.54,-3.8) 71(1.54,-4.2) 72(-1.54,-4.2) 73(1.54,-4.6) 74(-1.54,-4.6) 75(1.54,-5) 76(-1.54,-5) 77(1.54,-5.4) 78(-1.54,-5.4) 79(1.54,-5.8) 80(-1.54,-5.8) 81(1.54,-6.2) 82(-1.54,-6.2) 83(1.54,-6.6) 84(-1.54,-6.6) 85(1.54,-7) 86(-1.54,-7) 87(1.54,-7.4) 88(-1.54,-7.4) 89(1.54,-7.8) 90(-1.54,-7.8) 91(1.54,-8.2) 92(-1.54,-8.2) 93(1.54,-8.6) 94(-1.54,-8.6) 95(1.54,-9) 96(-1.54,-9) 97(1.54,-9.4) 98(-1.54,-9.4) 99(1.54,-9.8) 100(-1.54,-9.8)
  silkscreen extent -0.65,-10.85 2.75,10.88, body extent -1.69,-11.3 1.69,11.3, height 2.85
DO1608C-102MLX [mm] "Coil inductor 6.6x4.45mm"
  rect 1.4x3.56 smd: 1(-2.73,0) 2(2.73,0)
  silkscreen extent -2.01,-2.22 2.01,2.22, body extent -3.3,-2.22 3.3,2.23, height 2.92
DTSM-32N-V [mm] "tactile button 160gf"
  rect 2x1.5 smd: 1(-2.7,0) 2(2.7,0)
  silkscreen extent -3.01,-1.76 3,1.75, body extent -3.65,-1.75 3.65,1.75, height 5
ECA-0JM102 [mm] "Body diameter: 8mm, lead pitch: 3.5mm"
  rect 1.6x1.6 / inner round 1.6 / far side rect 1.6x1.6 hole 0.8 mask+0.05: 1(-1.75,0)
  round 1.6 hole 0.8 mask+0.05: 2(1.75,0)
  silkscreen extent -4.15,-4 4,4.4, body extent -4,-4 4,4, height 12.5